# Altium PCB WPTChargerMain.PcbDoc (part 1 of 3) (continued)
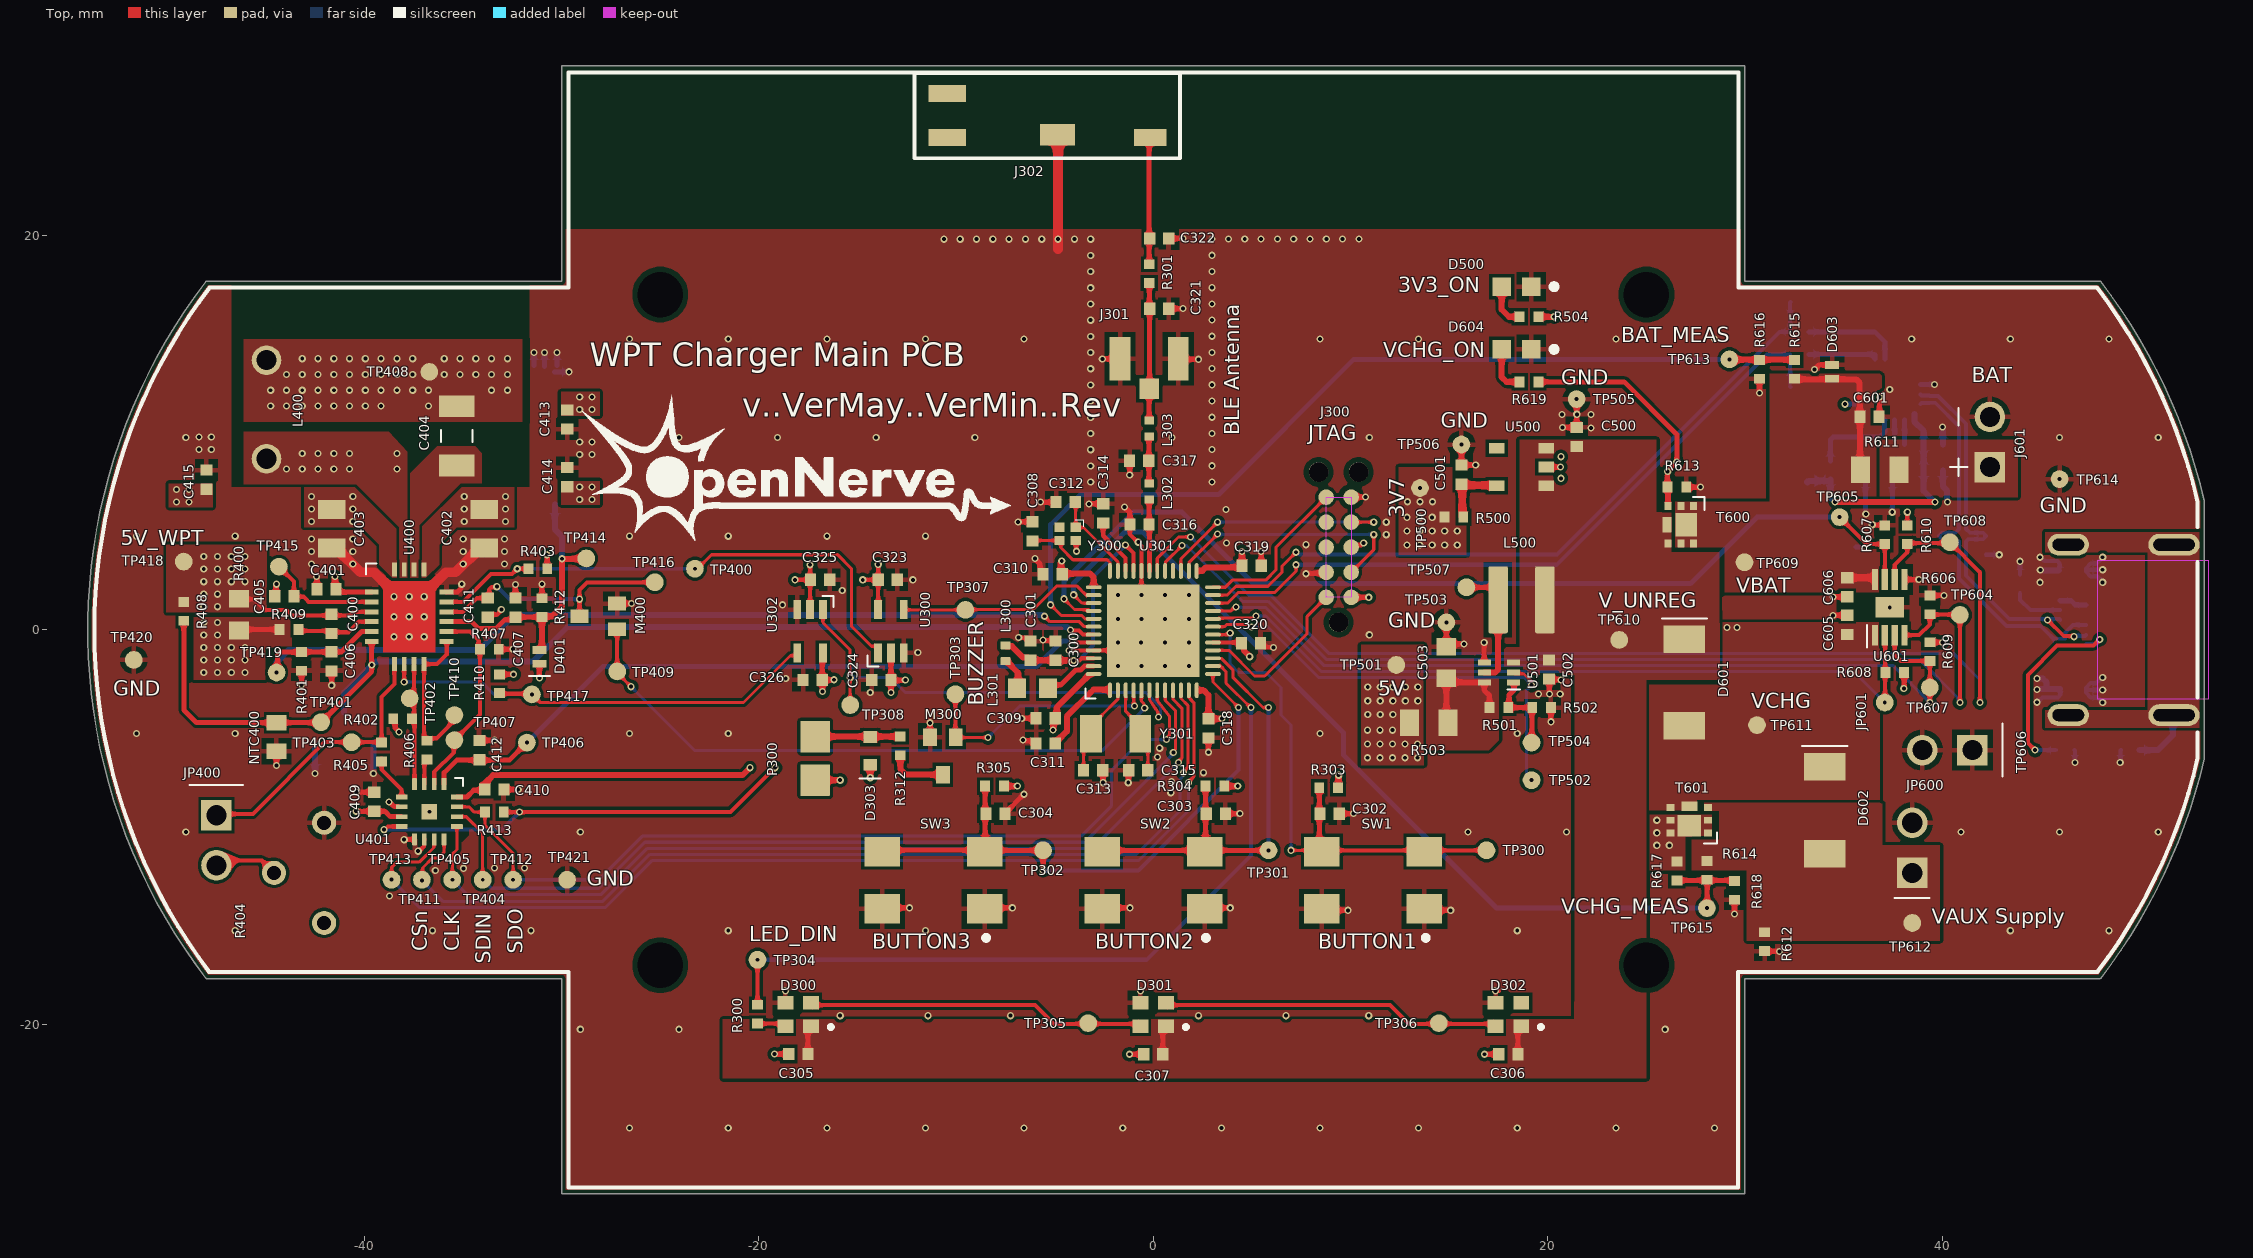
[diagram p0: Top view]
## Design rules (kind name [scope] priority, off if disabled: settings) (continued)
SilkToSilkClearance [All] p1: silktosilkclearance=0.127
SilkToSolderMaskClearance [IsPad] p1: minsilkscreentomaskgap=0.127 clearancetoexposedcopper=TRUE
SolderMaskExpansion [All] p1: expansion=0.051 istentingtop=FALSE
SupplyNets "Schematic Supply Nets_1" [InNet('5V_DC/DC_OUT')] p1: voltage=5.000
SupplyNets "Schematic Supply Nets" [InNet('3V3_LDO_OUT')] p2: voltage=3.300
SupplyNets "Schematic Supply Nets_2" [InNet('GND')] p3: voltage=0.000
SupplyNets "Schematic Supply Nets_10" [InNet('+5V0_VCC')] p4: voltage=5.000
SupplyNets "Schematic Supply Nets_9" [InNet('+VAUX')] p5: voltage=5.000
SupplyNets "Schematic Supply Nets_8" [InNet('+VBUS')] p6: voltage=5.000
SupplyNets "Schematic Supply Nets_7" [InNet('+5V0_WPT_VIN')] p7: voltage=5.000
SupplyNets "Schematic Supply Nets_6" [InNet('+5V0_VCHG')] p8: voltage=5.000
SupplyNets "Schematic Supply Nets_4" [InNet('+3V3_VDD')] p9: voltage=3.300
UnRoutedNet [All] p1: checkbadconnections=TRUE
Width ANT_BLE [InNetClass('50_OHM')] p1: maxlimit=0.254 minlimit=0.221 preferedwidth=0.254 toplayer_minwidth=0.247 toplayer_maxwidth=0.247 toplayer_prefwidth=0.247 bottomlayer_minwidth=0.247 bottomlayer_maxwidth=0.247 bottomlayer_prefwidth=0.247 impedanceprofiledriven=TRUE impedanceprofileid={69941010-B19D-4500-A432-55BB634A7BCE} impedanceprofilevalue=50.000000 minimp=50.000000 maximp=50.000000 favimp=50.000000
Width Power_20mil [All] p2 off: maxlimit=25.4 minlimit=0.254 preferedwidth=0.508 toplayer_minwidth=0.508 midlayer1_minwidth=0.508 midlayer4_maxwidth=0.254 midlayer4_prefwidth=0.254 bottomlayer_minwidth=0.508 minimp=50.000000 maximp=50.000000 favimp=50.000000
Width Power_12mil [InNetClass('POWER')] p3: maxlimit=25.4 minlimit=0.205 preferedwidth=0.305 toplayer_prefwidth=0.305 midlayer1_minwidth=0.305 midlayer4_minwidth=0.254 midlayer4_maxwidth=0.254 midlayer4_prefwidth=0.254 minimp=50.000000 maximp=50.000000 favimp=50.000000
Width Width_10mil [All] p4 off: maxlimit=25.4 minlimit=0.254 preferedwidth=0.254 midlayer4_maxwidth=0.254 minimp=50.000000 maximp=50.000000 favimp=50.000000
Width Width_6mil [All] p5: maxlimit=25.4 minlimit=0.152 preferedwidth=0.254 toplayer_prefwidth=0.205 midlayer1_prefwidth=0.205 midlayer4_minwidth=0.254 midlayer4_maxwidth=0.254 bottomlayer_prefwidth=0.205 minimp=50.000000 maximp=50.000000 favimp=50.000000
Width Width_4mil [All] p6 off: maxlimit=1816.048 minlimit=0.102 preferedwidth=0.102 toplayer_maxwidth=25.4 midlayer1_maxwidth=25.4 bottomlayer_maxwidth=25.4 minimp=50.000000 maximp=50.000000 favimp=50.000000
19 further rules are at their usual default settings.

## Classes and differential pairs
net class 50_OHM: ANT+ ANT_MCU ANT_PCB+ NetC317_2
net class POWER: 3V3_LDO_OUT 5V_DC/DC_OUT 5V_SW +3V3_VDD +3V7_BAT +5V0_VCC +5V0_VCHG +5V0_WPT_VIN +BAT +V_UNREG +VAUX +VBUS GND NetJ600_1
net class DIGITAL: C\H\G\_\C\H\G\ C\H\G\_\E\N\ C\H\G\_\F\A\S\T\ C\H\G\_\P\P\R\ DAC_L\D\A\C\ SPI.C\S\ SPI.SCLK SPI.SDIN SPI.SDO UART_MCU.RX UART_MCU.TX USB_N USB_P VCC_EN WPT_CTD_CTRL WPT_E\N\ WPT_STAT
net class ANALOG: BAT_MEAS CHG_ISET DAC_REF VCHG_MEAS WPT_IMON WPT_NTC
component class "WPT IC": C400 C401 C402 C403 C404 C405 C406 C407 C408 C409 C410 C411 C412 C413 C414 C415 D400 D401 J400 J401 JP400 L400 M400 NTC400 R400 R401 R402 R403 R404 R405 R406 R407 R408 R409 R410 R411 R412 R413 TP400 TP401 TP402 TP403 TP404 TP405 TP406 TP407 TP408 TP409 TP410 TP411 TP412 TP413 TP414 TP415 TP416 TP417 TP418 TP419 TP420 TP421 U400 U401
component class PMC: C500 C501 C502 C503 D500 L500 R500 R501 R502 R503 R504 TP500 TP501 TP502 TP503 TP504 TP505 TP506 TP507 U500 U501
component class MCU: C300 C301 C302 C303 C304 C305 C306 C307 C308 C309 C310 C311 C312 C313 C314 C315 C316 C317 C318 C319 C320 C321 C322 C323 C324 C325 C326 D300 D301 D302 D303 J300 J301 J302 L300 L301 L302 L303 M300 P300 R300 R301 R303 R304 R305 R312 SW1 SW2 SW3 TP300 TP301 TP302 TP303 TP304 TP305 TP306 TP307 TP308 U300 U301 U302 Y300 Y301
component class "Battery Management": C600 C601 C602 C603 C604 C605 C606 D600 D601 D602 D603 D604 J600 J601 JP600 JP601 R600 R601 R602 R603 R604 R605 R606 R607 R608 R609 R610 R611 R612 R613 R614 R615 R616 R617 R618 R619 T600 T601 TP600 TP601 TP602 TP603 TP604 TP605 TP606 TP607 TP608 TP609 TP610 TP611 TP612 TP613 TP614 TP615 U600 U601
component class 01-Cover: X100 X101 X102 X103
differential pair USB: +USB_P -USB_N

## Components (designator, comment, footprint, x,y, rotation, side; value= is the part's Value field where it differs from the comment)
C300 "GRM155R61H105KE05D" C0402 -4.953,-1.055 r270 top value=1uF
C301 "GRM155R61C473KA01D" C0402 -6.223,-1.055 r270 top value=47nF
C302 "GRM155R61A334KE15D" C0402 8.94,-9.318 r180 top value=330nF
C303 "GRM155R61A334KE15D" C0402 3.175,-9.318 r180 top value=330nF
C304 "GRM155R61A334KE15D" C0402 -8.001,-9.318 r180 top value=330nF
C305 "GCM155R71C104KA55" C0402 -17.992,-21.5 r0 top value=0.1uF
C306 "GCM155R71C104KA55" C0402 18,-21.51 r0 top value=0.1uF
C307 "GCM155R71C104KA55" C0402 0,-21.51 r0 top value=0.1uF
C308 "GJM1555C1H120FB01D" C0402 -6.125,4.995 r90 top value=12pF
C309 "GRM155R61H105KE05D" C0402 -5.461,-4.484 r0 top value=1uF
C310 "GRM155R61H104KE14D" C0402 -5.104,2.819 r0 top value=0.1uF
C311 "GRM155R61H104KE14D" C0402 -5.461,-5.754 r0 top value=0.1uF
C312 "GJM1555C1H120FB01D" C0402 -4.445,6.477 r180 top value=12pF
C313 "GJM1555C1H120FB01D" C0402 -3.048,-7.112 r180 top value=12pF
C314 "GRM1555C1H101JA01D" C0402 -2.54,5.907 r90 top value=100pF
C315 "GJM1555C1H120FB01D" C0402 -0.762,-7.112 r0 top value=12pF
C316 "GCM1555C1H1R0JA16D" C0402 -0.702,5.338 r0 top value=1pF
C317 "GJM1555C1H1R2WB01J" C0402 -0.717,8.578 r0 top value=1.2pF
C318 "GRM155R61H104KE14D" C0402 2.794,-4.992 r90 top value=0.1uF
C319 "GRM155R61H104KE14D" C0402 4.984,3.25 r180 top value=0.1uF
C320 "GRM155R61H104KE14D" C0402 4.953,-0.674 r180 top value=0.1uF
C321 "Capacitor, DNP, 0402" C0402 0.299,16.286 r180 top value=DNP
C322 "Capacitor, DNP, 0402" C0402 0.299,19.842 r180 top value=DNP
C323 "GRM155R61H104KE14D" C0402 -13.462,2.54 r180 top value=0.1uF
C324 "GRM155R61H104KE14D" C0402 -13.785,-2.54 r0 top value=0.1uF
C325 "GRM155R61H104KE14D" C0402 -16.891,2.54 r180 top value=0.1uF
C326 "GRM155R61H104KE14D" C0402 -17.272,-2.54 r0 top value=0.1uF
C400 "GCM155R71H103KA55J" C0402 -41.659,0.306 r90 top value=0.01uF
C401 "GRM155R6YA105KE11D" C0402 -41.918,2.064 r0 top value=1uF
C402 "GRM21BR61A476ME15L" C0805 -33.912,5.132 r90 top value=47uF
C403 "GRM21BR61A476ME15L" C0805 -41.659,5.132 r90 top value=47uF
C404 "C3216C0G2A104J160AC" C1206 -35.309,9.831 r270 top value=0.1uF
C405 "GCM155R71E472KA37D" C0402 -44.053,1.703 r0 top value=4.7nF
C406 "GCM155R71C104KA55" C0402 -41.659,-1.599 r90 top value=0.1uF
C407 "GCM155R71C104KA55" C0402 -32.342,1.126 r270 top value=0.1uF
C408 "C3216C0G2A104J160AC" C1206 -30.853,11.651 r270 bottom value=0.1uF
C409 "GCM155R71C104KA55" C0402 -39.5,-8.711 r270 top value=0.1uF
C410 "GCM155R71C104KA55" C0402 -33.409,-8.096 r180 top value=0.1uF
C411 "GCM1555C1H360FA16D" C0402 -33.739,1.127 r90 top value=36pF
C412 "GRM155R61A334KE15D" C0402 -34.163,-6.096 r270 top value=330nF
C413 "GCM155R71H103KA55J" C0402 -29.718,10.668 r90 top value=0.01uF
C414 "GCM155R71H103KA55J" C0402 -29.718,7.747 r270 top value=0.01uF
C415 "GCM155R71H103KA55J" C0402 -48.006,7.62 r270 top value=0.01uF
C500 "GCM155R71C104KA55" C0402 21.463,9.779 r90 top value=0.1uF
C501 "GCM155R71C104KA55" C0402 15.621,7.874 r90 top value=0.1uF
C502 "ZRB15XR61A106ME01D" C0402 20.066,-2.009 r90 top value=10uF
C503 "GRM188R61A226ME15D" C0603 14.859,-1.651 r270 top value=22uF
C600 "C1005X5R1A475K050BC" C0402 36.068,8.001 r270 bottom value=4.7uF
C601 "C1005X5R1A475K050BC" C0402 36.313,10.802 r180 top value=4.7uF
C602 "GCM155R71C104KA55" C0402 37.465,8.001 r90 bottom value=0.1uF
C603 "C1005X5R1A475K050BC" C0402 39.543,8.085 r0 bottom value=4.7uF
C604 "GCM155R71C104KA55" C0402 39.543,9.398 r180 bottom value=0.1uF
C605 "GRM155R6YA105KE11D" C0402 35.179,0.254 r270 top value=1uF
C606 "GRM155R61C225KE44D" C0402 35.179,2.159 r90 top value=2.2uF
D300 "IN-PI20TAT5R5G5B" INPI20TAT5R5G5B -18,-19.5 r0 top
D301 "IN-PI20TAT5R5G5B" INPI20TAT5R5G5B 0,-19.5 r0 top
D302 "IN-PI20TAT5R5G5B" INPI20TAT5R5G5B 18,-19.5 r0 top
D303 "BAS521-7" BAS521_SOD523 -14.351,-6.135 r90 top
D400 "BAS521-7" BAS521_SOD523 -33.02,10.795 r90 bottom
D401 "BAT54LP-7" BAT54LP-7 -31.123,-1.365 r90 top
D500 "LTST-C191KFKT" LEDC0603 18.415,17.399 r180 top value="ORANGE LED"
D600 "IP4220CZ6F" FP-SOT457-MFG 41.021,3.81 r180 bottom
D601 "PMEG3050EP,115" SDO_CFP5_SOD128_NEX-M 26.924,-2.667 r270 top
D602 "PMEG3050EP,115" SDO_CFP5_SOD128_NEX-M 34.036,-9.144 r270 top
D603 "PESD5V5C1BLYL" PESD5V5C1BLYL 34.417,13.081 r270 top
D604 "LTST-C191TGKT" LEDC0603 18.415,14.224 r180 top value="GREEN LED"
J300 "TC2050-IDC-NL" TC2050-IDC-NL 10.033,1.651 r180 top
J301 "U.FL-R-SMT-1(10)" FP-U_FL-R-SMT-1_10-MFG -0.209,13.746 r0 top
J302 "1513430-1" 15134301 -5.366,26.072 r0 top
J400 "U.FL-R-SMT-1(10)" FP-U_FL-R-SMT-1_10-MFG -37.924,9.525 r0 bottom
J401 "U.FL-R-SMT-1(10)" FP-U_FL-R-SMT-1_10-MFG -41.021,-5.715 r0 bottom
J600 "1054500101" FP-1054500101-MFG 49.75,0 r270 bottom locked
J601 "105060" BatteryConnector 42.418,9.525 r90 top value="Custom Connector"
JP400 "TSW-102-26-G-S" SMTC-TSW-102-26-XX-S -47.498,-9.398 r270 top
JP600 "TSW-102-25-G-S-RA" SAMTEC_TSW-102-25-G-S-RA 38.481,-12.319 r90 top
JP601 "TSW-102-26-G-S" SMTC-TSW-102-26-XX-S 41.529,-6.096 r180 top
L300 "LQG15HS15NG02D" L0402_B -7.493,-1.182 r90 top value=15nH
L301 "ASMCI-0603-100M-T" L0603_B -6.119,-2.96 r180 top value=10uH
L302 "LQG15HS4N7B02D" L0402_B -0.209,7.015 r90 top value=4.7nH
L303 "LQG15HS2N2B02D" L0402_B -0.209,10.211 r90 top value=2.2nH
L400 "760308100110" Coil_pads-5mm-ThroughHole -44.958,11.176 r270 top value=24uH
L500 "XGL4015-681MEC" XAL4020-401MEC 18.669,1.524 r180 top value=680nH
M300 "NVS4001NT1G" NVS4001NT1G-SC-70-3 -10.668,-6.389 r270 top
M400 "NVS4001NT1G" NVS4001NT1G-SC-70-3 -28.136,0.687 r180 top
NTC400 "NTCS0603E3502FLT" NTC0603 -44.458,-5.429 r90 top value=5k
P300 "RDTE-4.000-3030-NS1" RDTE-4.000-3030-NS1 -17.145,-6.516 r90 top
R300 "RC0402FR-13470RL" R0402 -20.066,-19.478 r90 top value=470R
R301 "PA0402-R-070RL" R0402 -0.209,18.064 r90 top value=0
R303 "CRCW040210K0FKED" R0402 8.89,-8.001 r0 top value=10K
R304 "CRCW040210K0FKED" R0402 3.125,-7.921 r0 top value=10K
R305 "CRCW040210K0FKED" R0402 -8.051,-7.921 r0 top value=10K
R312 "CRCW040247R0FKED" R0402 -12.827,-5.881 r90 top value=47R
R400 "WSL0603R0150FEA18" R0603 -46.358,0.774 r90 top value=15m
R401 "RN73R1ETTP2983F50" R0402 -43.183,-1.599 r90 top value=298k
R402 "ERJ-2RKF1003X" R0402 -38.058,-4.508 r180 top value=100k
R403 "ERJ-2RKF1003X" R0402 -31.201,3.1 r0 top value=100k
R404 "64WR10KLF" RES3_64W_TTE -42.037,-14.859 r90 top value=10k
R405 "ERJ-2GE0R00X" R0402 -39.124,-6.191 r90 top value=0R
R406 "ERJ-2GE0R00X" R0402 -36.83,-6.096 r90 top value=0R
R407 "ERJ-2RKF1003X" R0402 -33.663,-0.984 r180 top value=100k
R408 "RC0402FR-075KL" R0402 -49.152,0.941 r90 top value=5k
R409 "CRCW040210K0FKED" R0402 -43.818,0.025 r0 top value=10K
R410 "ERJ-2RKF1003X" R0402 -33.155,-2.729 r90 top value=100k
R411 "CRCW0603100KFKEAC" R0603 -30.345,7.169 r90 bottom value=100k
R412 "RC0402FR-075KL" R0402 -30.997,1.126 r270 top value=5k
R413 "CRCW040210K0FKED" R0402 -33.409,-9.239 r180 top value=10K
R500 "ERJ-2GE0R00X" R0402 15.24,5.715 r180 top value=0R
R501 "CRCW0402732KFKED" R0402 17.518,-3.937 r180 top value=732k
R502 "ERJ-2RKF1003X" R0402 19.685,-3.937 r180 top value=100k
R503 "RCS08050000Z0EA" R0805 13.97,-4.699 r180 top value=0R
R504 "CRCW0402499RFKEDHP" R0402 19.05,15.875 r0 top value=499R
R600 "CRCW04025K11FKEDC" R0402 43.942,2.332 r90 bottom value=5.11K
R601 "CRCW04025K11FKEDC" R0402 46.228,-6.096 r0 bottom value=5.11K
R602 "CRCW04021M00FKED" R0402 49.53,-6.097 r180 bottom value=1M
R603 "CRCW04021K00FKED" R0402 34.324,8.088 r270 bottom value=1K
R604 "CRCW04021K00FKED" R0402 32.758,15.113 r0 bottom value=1K
R605 "CRCW04021K00FKED" R0402 32.766,13.97 r0 bottom value=1K
R606 "CRCW04021M00FKED" R0402 39.37,1.27 r270 top value=1M
R607 "CRCW04023K24FKED" R0402 37.084,4.826 r270 top value=3.24k
R608 "ERJ-2RKF1003X" R0402 37.592,-2.159 r0 top value=100k
R609 "ERJ-2RKF1003X" R0402 39.37,-1.099 r90 top value=100k
R610 "ERJ-2RKF1003X" R0402 38.227,4.826 r90 top value=100k
R611 "RCS08050000Z0EA" R0805 36.83,8.128 r180 top value=0R
R612 "CRCW04021K00FKED" R0402 30.988,-15.806 r90 top value=1K
R613 "CRCW04021K00FKED" R0402 26.543,7.239 r180 top value=1K
R614 "CRCW04021M20FKEDC" R0402 28.067,-12.192 r90 top value=1.2M
R615 "CRCW04021M00FKED" R0402 32.514,13.208 r90 top value=1M
R616 "CRCW04023M30FKED" R0402 30.734,13.208 r90 top value=3.3M
R617 "CRCW04022M80FKED" R0402 26.543,-12.225 r90 top value="2.8 M"
R618 "CRCW04021M50FKED" R0402 29.464,-13.208 r90 top value=1.5M
R619 "CRCW0402200RFKEDHP" R0402 19.05,12.573 r0 top value=200R
SW1 "PTS647SN50SMTR2LFS" CK_PTS647 11.146,-12.694 r90 top
SW2 "PTS647SN50SMTR2LFS" CK_PTS647 0,-12.694 r90 top
SW3 "PTS647SN50SMTR2LFS" CK_PTS647 -11.146,-12.694 r90 top
T600 "PMPB11R2VPX" PMPB11R2VPX 26.745,5.334 r0 top
T601 "PMPB11R2VPX" PMPB11R2VPX 27.178,-9.652 r270 top
TP300 "Test Point" testpad_0.9mm 16.891,-11.176 r90 top value="Test point"
TP301 "Test Point" testpad_0.9mm 5.842,-11.176 r90 top value="Test point"
TP302 "Test Point" testpad_0.9mm -5.588,-11.176 r90 top value="Test point"
TP303 "Test Point" testpad_0.9mm -10.033,-3.262 r90 top value="Test point"
TP304 "Test Point" testpad_0.9mm -20.066,-16.724 r90 top value="Test point"
TP305 "Test Point" testpad_0.9mm -3.302,-19.939 r90 top value="Test point"
TP306 "Test Point" testpad_0.9mm 14.478,-19.939 r90 top value="Test point"
TP307 "Test Point" testpad_0.9mm -9.525,1.016 r90 top value="Test point"
TP308 "Test Point" testpad_0.9mm -15.367,-3.81 r90 top value="Test point"
TP400 "Test Point" testpad_0.9mm -23.241,3.1 r90 top value="Test point"
TP401 "Test Point" testpad_0.9mm -42.197,-4.681 r270 top value="Test point"
TP402 "Test Point" testpad_0.9mm -37.702,-3.471 r270 top value="Test point"
TP403 "Test Point" testpad_0.9mm -40.643,-5.694 r270 top value="Test point"
TP404 "Test Point" testpad_0.9mm -33.998,-12.668 r180 top value="Test point"
TP405 "Test Point" testpad_0.9mm -35.539,-12.668 r270 top value="Test point"
TP406 "Test Point" testpad_0.9mm -31.758,-5.714 r270 top value="Test point"
TP407 "Test Point" testpad_0.9mm -35.433,-5.588 r270 top value="Test point"
TP408 "Test Point" testpad_0.9mm -36.703,13.081 r270 top value="Test point"
TP409 "Test Point" testpad_0.9mm -27.181,-2.107 r270 top value="Test point"
TP410 "Test Point" testpad_0.9mm -35.433,-4.318 r270 top value="Test point"
TP411 "Test Point" testpad_0.9mm -37.08,-12.668 r0 top value="Test point"
TP412 "Test Point" testpad_0.9mm -32.457,-12.668 r270 top value="Test point"
TP413 "Test Point" testpad_0.9mm -38.621,-12.668 r0 top value="Test point"
TP414 "Test Point" testpad_0.9mm -28.746,3.622 r0 top value="Test point"
TP415 "Test Point" testpad_0.9mm -44.331,3.207 r0 top value="Test point"
TP416 "Test Point" testpad_0.9mm -25.273,2.413 r0 top value="Test point"
TP417 "Test Point" testpad_0.9mm -31.504,-3.27 r0 top value="Test point"
TP418 "Test Point" testpad_0.9mm -49.157,3.461 r0 top value="Test point"
TP419 "Test Point" testpad_0.9mm -44.45,-2.159 r0 top value="Test point"
TP420 "Test Point" testpad_0.9mm -51.689,-1.524 r90 top value="Test point"
TP421 "Test Point" testpad_0.9mm -29.718,-12.668 r90 top value="Test point"
TP500 "Test Point" testpad_0.9mm 13.523,7.194 r270 top value="Test point"
TP501 "Test Point" testpad_0.9mm 12.319,-1.778 r270 top value="Test point"
TP502 "Test Point" testpad_0.9mm 19.177,-7.62 r270 top value="Test point"
TP503 "Test Point" testpad_0.9mm 14.859,0.381 r90 top value="Test point"
TP504 "Test Point" testpad_0.9mm 19.177,-5.715 r90 top value="Test point"
TP505 "Test Point" testpad_0.9mm 21.463,11.702 r270 top value="Test point"
TP506 "Test Point" testpad_0.9mm 15.621,9.398 r90 top value="Test point"
TP507 "Test Point" testpad_0.9mm 15.875,2.159 r90 top value="Test point"
TP600 "Test Point" testpad_0.9mm 35.814,4.191 r90 bottom value="Test point"
TP601 "Test Point" testpad_0.9mm 33.207,7.553 r90 bottom value="Test point"
TP602 "Test Point" testpad_0.9mm 32.317,16.622 r180 bottom value="Test point"
TP603 "Test Point" testpad_0.9mm 32.291,12.495 r180 bottom value="Test point"
TP604 "Test Point" testpad_0.9mm 40.894,0.762 r0 top value="Test point"
TP605 "Test Point" testpad_0.9mm 34.798,5.715 r0 top value="Test point"
TP606 "Test Point" testpad_0.9mm 37.084,-3.683 r0 top value="Test point"
TP607 "Test Point" testpad_0.9mm 39.37,-2.921 r0 top value="Test point"
TP608 "Test Point" testpad_0.9mm 40.386,4.445 r0 top value="Test point"
TP609 "Test Point" testpad_0.9mm 29.972,3.429 r0 top value="Test point"
TP610 "Test Point" testpad_0.9mm 23.622,-0.508 r270 top value="Test point"
TP611 "Test Point" testpad_0.9mm 30.607,-4.826 r270 top value="Test point"
TP612 "Test Point" testpad_0.9mm 38.481,-14.859 r270 top value="Test point"
TP613 "Test Point" testpad_0.9mm 29.21,13.716 r90 top value="Test point"
TP614 "Test Point" testpad_0.9mm 45.949,7.645 r90 top value="Test point"
TP615 "Test Point" testpad_0.9mm 28.068,-14.103 r90 top value="Test point"
U300 "2N7001TQDCKRQ1" SOT65P210X110-5N -13.3,-0.069 r90 top
U301 "NRF52840-QFAA-F-R7" QFN40P600X600X90-48N 0,-0.039 r90 top locked
U302 "2N7001TQDCKRQ1" SOT65P210X110-5N -17.399,-0.069 r270 top
U400 "LTC4125IUFD#TRPBF" QFN50P400X500X80_HS-21N -37.727,0.667 r0 top
U401 "DAC80504RTET" DAC60504BRTET_16-WQFN -36.706,-9.219 r270 top
U500 "AP7354-33W5-7" SOT25_AP7354_DIO-L 18.669,8.255 r180 top
U501 "TPS61023DRLR" DRL0006A 17.526,-2.159 r180 top
U600 "CP2102N-A02-GQFN20R" FP-CP2102N-A02-GQFN20R-MFG 37.338,12.192 r180 bottom
U601 "MC34673AEPR2" SON50P300X60_HS-9M 37.338,1.143 r90 top
X100 "HOLE_UNPLATED_2.3MM" HOLE_UNPLATED_2.3MM_COUNTERSINK -25,17 r90 bottom locked
X101 "HOLE_UNPLATED_2.3MM" HOLE_UNPLATED_2.3MM_COUNTERSINK 25,17 r90 bottom locked
X102 "HOLE_UNPLATED_2.3MM" HOLE_UNPLATED_2.3MM_COUNTERSINK -25,-17 r90 bottom locked
X103 "HOLE_UNPLATED_2.3MM" HOLE_UNPLATED_2.3MM_COUNTERSINK 25,-17 r90 bottom locked
Y300 "ECS-320-10-48-CKY-TR" XTAL_ECS-SMD-CRYSTAL-10-48-CKY-TR -4.347,4.868 r180 top value="32 MHz"
Y301 "ECS-.327-9-34B-C-TR" XTAL_ECS-.327-9-34B-C-TR -1.912,-5.27 r180 top value=32.768kHz

## Footprints (in the part's own frame and the unit in brackets; to place one, negate y for a bottom-side part, rotate by r counter-clockwise, add the part's x,y. Pads: shape width x height; smd on the part's side, far side on the other; paste and mask are expansions set on the pad)
15134301 [mm]
  rect 1.88x0.86 smd: 1(-5.08,1.12) 2(-5.08,-1.12)
  rect 1.77x1.1 smd: 3(0.51,-0.965)
  rect 1.63x0.86 smd: 4(5.21,-1.12)
  silkscreen extent -6.73,-2.16 6.73,2.16, body extent -6.44,-1.88 6.44,1.88, height 0.79
BAS521_SOD523 [mm]
  rect 0.6x0.7 smd: 1(-0.7,0) 2(0.7,0)
  silkscreen extent -1.39,-0.53 -1.39,0.53, body extent -0.83,-0.42 0.83,0.42, height 0.67
BAT54LP-7 [mm]
  rect 0.4x0.7 smd: 1(-0.35,0) 2(0.35,0)
  silkscreen extent -0.97,-0.53 -0.97,0.54, body extent -0.53,-0.31 0.53,0.31, height 0.54
BatteryConnector [mm]
  rect 1.55x1.55 hole 1.02: 1(-1.27,0)
  round 1.55 hole 1.02: 2(1.27,0)
  silkscreen extent -1.71,1.14 1.71,2.03
C0402 [mm] "C0402_B generated by IPC compliant footprint wizard"
  rect 0.57x0.62 smd mask+0.051: 1(-0.485,0) 2(0.485,0)
  body extent -0.53,-0.28 0.53,0.28, height 0.6
C0603 [mm] "C0603_B generated by IPC compliant footprint wizard"
  rect 0.9x1 smd mask+0.076: 1(-0.8,0) 2(0.8,0)
  body extent -0.9,-0.5 0.9,0.5, height 0.8
C0805 [mm] "C0805_B generated by IPC compliant footprint wizard"
  rect 0.95x1.4 smd: 1(-0.975,0) 2(0.975,0)
  body extent -1.05,-0.67 1.05,0.67, height 1.35
C1206 [mm] "C1206_B generated by IPC compliant footprint wizard"
  rect 1.1x1.8 smd: 1(-1.5,0) 2(1.5,0)
  silkscreen extent -0.3,-0.8 0.3,0.8, body extent -1.7,-0.9 1.7,0.9, height 0.6
CK_PTS647 [mm] "PB, 4-Leads, Body 6.5x4.5mm"
  rect 1.5x1.8 smd: 1(-1.45,-2.6) 2(-1.45,2.6) 3(1.45,-2.6) 4(1.45,2.6)
  silkscreen extent -3.05,-2.79 -2.8,-2.54, body extent -2.25,-3.25 2.25,3.25, height 5
Coil_pads-5mm-ThroughHole [mm]
  round 1.5 hole 1.02: 1(-2.5,0) 2(2.5,0)
DAC60504BRTET_16-WQFN [mm] "QFN, 16-Leads, Body 3.00x3.00mm, Pitch 0.50mm, Thermal Pad 1.10x1.10mm, IPC High Density"
  rrect16% 0.6x0.24 smd mask+0.076: 1(-1.4,0.75) 2(-1.4,0.25) 3(-1.4,-0.25) 4(-1.4,-0.75) 9(1.4,-0.75) 10(1.4,-0.25) 11(1.4,0.25) 12(1.4,0.75)
  rrect16% 0.24x0.6 smd mask+0.076: 5(-0.75,-1.4) 6(-0.25,-1.4) 7(0.25,-1.4) 8(0.75,-1.4) 13(0.75,1.4) 14(0.25,1.4) 15(-0.25,1.4) 16(-0.75,1.4)
  rrect5% 0.8x0.8 smd mask+0.076: 17(0,0)
  silkscreen extent -1.7,1.3 -1.3,1.7, body extent -1.5,-1.5 1.5,1.5, height 0.8
DRL0006A [mm]
  rrect13% 0.67x0.3 smd paste+0 mask+0.025: 1(-0.74,0.5) 2(-0.74,0) 3(-0.74,-0.5) 4(0.74,-0.5) 5(0.74,0) 6(0.74,0.5)
  silkscreen extent -1.07,0.87 -0.44,0.87, body extent -0.8,-0.8 0.8,0.8, height 0.6
FP-1054500101-MFG [mm]
  rrect100% 1.1x2.1 hole 1.6 slot 0.6 at 0 deg paste-2539.97 mask+0: 1(-4.32,3.36) 2(4.32,3.36)
  rrect100% 1.1x2.6 hole 2.1 slot 0.6 at 0 deg paste-2539.97 mask+0: 3(-4.32,-2) 4(4.32,-2)
  rect 0.3x0.7 smd paste+0 mask+0.025: A1(-3,3.77) A2(-2.5,3.77) A3(-2,3.77) A4(-1.5,3.77) A5(-1,3.77) A6(-0.5,3.77) A7(0.5,3.77) A8(1,3.77) A9(1.5,3.77) A10(2,3.77) A11(2.5,3.77) A12(3,3.77) B2(2.25,2.47) B3(1.75,2.47) B4(1.25,2.47) B5(0.75,2.47) B6(0.25,2.47) B7(-0.25,2.47) B8(-0.75,2.47) B9(-1.25,2.47) B10(-1.75,2.47) B11(-2.25,2.47)
  rect 1x0.7 smd paste+0 mask+0.025: B1(3.1,2.47) B12(-3.1,2.47)
  Keep-Out Layer region: -3.5,1.88 3.5,1.88 3.5,-3.77 -3.5,-3.77
  body extent -4.47,-3.91 4.47,4, height 3.2
FP-CP2102N-A02-GQFN20R-MFG [mm]
  rect 0.3x0.3 smd paste+0 mask+0.025: 1(-1.25,1.25) 6(-1.25,-1.25) 11(1.25,-1.25) 16(1.25,1.25)
  rect 0.9x0.3 smd paste+0 mask+0.025: 2(-1.55,0.75) 3(-1.55,0.25) 4(-1.55,-0.25) 5(-1.55,-0.75) 12(1.55,-0.75) 13(1.55,-0.25) 14(1.55,0.25) 15(1.55,0.75)
  rect 0.3x0.9 smd paste+0 mask+0.025: 7(-0.75,-1.55) 8(-0.25,-1.55) 9(0.25,-1.55) 10(0.75,-1.55) 17(0.75,1.55) 18(0.25,1.55) 19(-0.25,1.55) 20(-0.75,1.55)
  rect 1.8x1.8 smd paste-1000 mask+0.025: 21(0,0)
  silkscreen extent -1.75,-1.75 1.75,1.75, body extent -1.5,-1.5 1.5,1.5, height 0.8
FP-SOT457-MFG [mm]
  rect 0.8x0.55 smd paste-1000 mask+0: 1(-1.2,0.95) 2(-1.2,0) 3(-1.2,-0.95) 4(1.2,-0.95) 5(1.2,0) 6(1.2,0.95)
  silkscreen extent -1.56,1.51 -0.84,1.51, body extent -1.33,-1.45 1.43,1.45, height 1.1
FP-U_FL-R-SMT-1_10-MFG [mm]
  rect 1x1.05 smd: 1(0,-1.525)
  rect 1.05x2.2 smd: 2(1.475,0) 3(-1.475,0)
  body extent -1.5,-1.55 1.5,1.55, height 1.45
HOLE_UNPLATED_2.3MM_COUNTERSINK [mm] "4.4mm diamater and 90 degrees angle countersink"
  round 0 hole 2.3 unplated paste-2539.97 mask+0.102: 1(0,0)
INPI20TAT5R5G5B [mm]
  rect 0.8x0.7 smd: 1(0.65,-0.6) 2(0.65,0.6) 3(-0.65,0.6) 4(-0.65,-0.6)
  silkscreen extent 1.55,-0.73 1.75,-0.54, body extent -1,-1 1,1, height 0.85
L0402_B [mm]
  rrect15% 0.4x0.5 smd mask+0.076: 1(-0.4,0) 2(0.4,0)
  body extent -0.5,-0.25 0.5,0.25, height 0.55
L0603_B [mm]
  rect 0.9x0.97 smd: 1(-0.785,0) 2(0.785,0)
  body extent -0.8,-0.4 0.8,0.4, height 0.95
LEDC0603 [mm]
  rect 0.95x0.95 smd: A(0.75,0) K(-0.75,0)
  silkscreen extent -2.03,-0.13 -1.78,0.13, body extent -0.83,-0.4 0.77,0.4, height 0.7
NTC0603 [mm] "Chip Resistor, 2-Leads, Body 1.50x0.80mm, IPC High Density"
  rect 0.8x1 smd: 1(-0.725,0) 2(0.725,0)
  body extent -0.8,-0.42 0.8,0.38, height 0.8
NVS4001NT1G-SC-70-3 [mm]
  rect 0.9x0.7 smd: 1(-0.95,0.65) 2(-0.95,-0.65) 3(0.95,0)
  body extent -1.21,-1.1 1.21,1.1, height 1.02
PESD5V5C1BLYL [mm]
  rect 0.4x0.7 smd mask+0.076: 1(-0.35,0) 2(0.35,0)
  body extent -0.51,-0.31 0.51,0.31, height 0.5
PMPB11R2VPX [mm]
  rect 0.35x0.4 smd mask+0.025: 1(0.65,0.951) 2(0,0.951) 3(-0.65,0.951) 4(-0.65,-0.951) 5(0,-0.951) 6(0.65,-0.951)
  rect 1.1x1.2 smd mask+0.025: 7(0.28,0)
  rect 0.46x0.8 smd mask+0.025: 8(-0.71,0)
  silkscreen extent 0.62,0.75 1.19,1.4, body extent -0.98,-0.99 1.02,1.01, height 0.6
QFN40P600X600X90-48N [mm]
  oval 0.8x0.2 smd mask+0.025: 1(-3.025,2.2) 2(-3.025,1.8) 3(-3.025,1.4) 4(-3.025,1) 5(-3.025,0.6) 6(-3.025,0.2) 7(-3.025,-0.2) 8(-3.025,-0.6) 9(-3.025,-1) 10(-3.025,-1.4) 11(-3.025,-1.8) 12(-3.025,-2.2) 25(3.025,-2.2) 26(3.025,-1.8) 27(3.025,-1.4) 28(3.025,-1) 29(3.025,-0.6) 30(3.025,-0.2) 31(3.025,0.2) 32(3.025,0.6) 33(3.025,1) 34(3.025,1.4) 35(3.025,1.8) 36(3.025,2.2)
  oval 0.2x0.8 smd mask+0.025: 13(-2.2,-3.025) 14(-1.8,-3.025) 15(-1.4,-3.025) 16(-1,-3.025) 17(-0.6,-3.025) 18(-0.2,-3.025) 19(0.2,-3.025) 20(0.6,-3.025) 21(1,-3.025) 22(1.4,-3.025) 23(1.8,-3.025) 24(2.2,-3.025) 37(2.2,3.025) 38(1.8,3.025) 39(1.4,3.025) 40(1,3.025) 41(0.6,3.025) 42(0.2,3.025) 43(-0.2,3.025) 44(-0.6,3.025) 45(-1,3.025) 46(-1.4,3.025) 47(-1.8,3.025) 48(-2.2,3.025)
  rect 4.7x4.7 smd mask+0.025: 49(0,0)
  silkscreen extent -3.43,2.92 -2.92,3.43, body extent -3,-3.05 3.04,2.99, height 0.86
QFN50P400X500X80_HS-21N [mm] "QFN, 20-Leads, Body 4.00x5.00mm, Pitch 0.50mm, Thermal Pad 2.65x3.60mm, IPC Medium Density"
  rect 0.7x0.25 smd mask+0.051: 1(-1.9,1.25) 2(-1.9,0.75) 3(-1.9,0.25) 4(-1.9,-0.25) 5(-1.9,-0.75) 6(-1.9,-1.25) 11(1.9,-1.25) 12(1.9,-0.75) 13(1.9,-0.25) 14(1.9,0.25) 15(1.9,0.75) 16(1.9,1.25)
  rect 0.25x0.7 smd mask+0.051: 7(-0.75,-2.4) 8(-0.25,-2.4) 9(0.25,-2.4) 10(0.75,-2.4) 17(0.75,2.4) 18(0.25,2.4) 19(-0.25,2.4) 20(-0.75,2.4)
  round 0.025 smd mask+0.051: 21(0,0)
  Top region: -1.325,-1.8 -1.325,1.481 -1.006,1.8 1.325,1.8 1.325,-1.8
  silkscreen extent -2.2,2.15 -1.65,2.7, body extent -2.06,-2.56 2.06,2.56, height 0.8
R0402 [mm] "R0402_B generated by IPC compliant footprint wizard"
  rect 0.5x0.55 smd mask+0.051: 1(-0.475,0) 2(0.475,0)
  body extent -0.53,-0.28 0.53,0.28, height 0.4
R0603 [mm] "R0603_B generated by IPC compliant footprint wizard"
  rect 0.9x1 smd: 1(-0.8,0) 2(0.8,0)
  body extent -0.9,-0.5 0.9,0.5, height 0.5
R0805 [mm] "R0805_B generated by IPC compliant footprint wizard"
  rect 0.95x1.35 smd: 1(-0.975,0) 2(0.975,0)
  body extent -1.1,-0.67 1.1,0.67, height 0.6
RDTE-4.000-3030-NS1 [mm]
  rrect4% 1.6x1.5 smd mask+0.076: 1(-1.1,0) 2(1.1,0)
  body extent -1.65,-1.6 1.65,1.6, height 2
RES3_64W_TTE [mil]
  round 48 / inner round 60 / far side round 48 hole 28 paste-99999 mask+0: 1(0,0) 2(100,100) 3(200,0)
  body extent -26,-30 224,135, height 333
SAMTEC_TSW-102-25-G-S-RA [mm]
  rect 1.55x1.55 hole 1.02: 1(0,0)
  round 1.55 hole 1.02: 2(2.54,0)
  silkscreen extent -1.28,-0.87 -1.27,0.91, body extent -1.27,-12.19 3.81,0.32, height 3.17
SDO_CFP5_SOD128_NEX-M [mm]
  rect 1.4x2.1 smd paste+0: 1(-2.2,0) 2(2.2,0)
  silkscreen extent -3.25,-1.14 -3.25,1.15, body extent -2.5,-1.35 2.5,1.35, height 1.1
SMTC-TSW-102-26-XX-S [mm] ".025 SQ Post Terminal Strip Assembly, 1x2 Pins, Vertical, 2.54mm Pitch, Male"
  rect 1.55x1.55 hole 1.02: 1(0,0)
  round 1.55 hole 1.02: 2(2.54,0)
  silkscreen extent -1.53,-1.36 -1.53,1.35, body extent -1.4,-1.27 3.81,1.27, height 8.38
SON50P300X60_HS-9M [mm] "SON, 8-Leads, Body 2.00x3.00mm, Pitch 0.50mm, Thermal Pad 1.35x0.95mm, IPC Low Density"
  rect 1.05x0.32 smd mask+0.025: 1(-1.41,0.75) 2(-1.41,0.25) 3(-1.41,-0.25) 4(-1.41,-0.75) 5(1.41,-0.75) 6(1.41,-0.25) 7(1.41,0.25) 8(1.41,0.75)
  rect 1.05x1.45 smd mask+0.025: 9(0,0)
  silkscreen extent -2.03,1.14 -0.89,1.14, body extent -1.56,-1 1.56,1, height 0.6
SOT25_AP7354_DIO-L [mm]
  rect 0.8x0.55 smd paste+0 mask+0.076: 1(-1.251,0.95) 2(-1.251,0) 3(-1.251,-0.95) 4(1.251,-0.95) 5(1.251,0.95)
  body extent -1.5,-1.55 1.5,1.55, height 1.4
SOT65P210X110-5N [mm]
  rect 0.95x0.4 smd mask+0.051: 1(-1.1,0.65) 2(-1.1,0) 3(-1.1,-0.65) 4(1.1,-0.65) 5(1.1,0.65)
  silkscreen extent -1.78,0.63 -1.22,1.18, body extent -1.05,-1 1.05,1, height 1
TC2050-IDC-NL [mm]
  round 0.787 smd paste-1: 1(0,0) 2(0,-1.27) 3(0,-2.54) 4(0,-3.81) 5(0,-5.08) 6(1.27,-5.08) 7(1.27,-3.81) 8(1.27,-2.54) 9(1.27,-1.27) 10(1.27,0)
  round 0.991 hole 0.991 unplated: ""(-0.38,-6.35) ""(0.635,1.27) ""(1.65,-6.35)
  Top keep-out region: 1.27,-5.08 0,-5.08 0,0 1.27,0
testpad_0.9mm [mm]
  round 0.9 smd paste-1: 1(0,0)
XAL4020-401MEC [mm]
  rrect16% 0.98x3.4 smd mask+0.076: 1(-1.185,0) 2(1.185,0)
  body extent -2.15,-2.13 2.15,2.17, height 2
XTAL_ECS-.327-9-34B-C-TR [mm]
  rect 1.1x1.9 smd: 1(-1.25,0) 2(1.25,0)
  body extent -1.6,-0.75 1.6,0.75, height 0.9
XTAL_ECS-SMD-CRYSTAL-10-48-CKY-TR [mm]
  rect 0.52x0.47 smd mask+0.048: 1(-0.41,-0.335) 2(0.41,-0.335) 3(0.41,0.335) 4(-0.41,0.335)
  silkscreen extent -0.82,-0.72 -0.4,-0.35, body extent -0.6,-0.5 0.6,0.5, height 0.33

## Part data
C300 C309: "1 µF ±10% 50V Ceramic Capacitor X5R 0402 (1005 Metric)", Manufacturer="Murata Electronics", Supplier Part Number 1=490-GRM155R61H105KE05DCT-ND, Temperature Coefficient=X5R, Tolerance=±10%, Voltage Rating=50V, Category=Capacitor, Height=0.60mm, Length=1.00mm, Manufacturer Part Number=GRM155R61H105KE05D, Size Code=0402, Supplier 1=Digikey, Width=0.50mm
C301: "0.047 µF ±10% 16V Ceramic Capacitor X5R 0402 (1005 Metric)", Manufacturer="Murata Electronics", Supplier Part Number 1=490-6313-1-ND, Temperature Coefficient=X5R, Tolerance=±10%, Voltage Rating=16V, Category=Capacitor, Height=0.55mm, Length=1.00mm, Manufacturer Part Number=GRM155R61C473KA01D, Size Code=0402, Supplier 1=Digikey, Width=0.50mm
C302 C303 C304 C412: "Ceramic Capacitor, Multilayer, Ceramic, 10V, 10% +Tol, 10% -Tol, X5R, 15% TC, 0.33uF, Surface Mount, 0402", Capacitor Type=Ceramic, Case/Package=0402, Manufacturer=Murata, Max Operating Temperature=85°C, Min Operating Temperature=-55°C, Package Shape=Rectangular, Package Style=SMTMeter, Rated DC Voltage (URdc)=10V, Supplier Part Number 1=81-GRM155R61A334KE5D, Temperature Characteristics Code=X5R, Tolerance  (fill in as +-)=10%, Category="Ceramic Capacitors", ComponentLink1Description=https://datasheet.ciiva.com:443/pdfs/VipMasterIC/IC/MURE/MURE-S-A0004362469/MURE-S-A0004364266-1.pdf?src-supplier=IHS+Markit, ComponentLink1URL=https://datasheet.ciiva.com:443/pdfs/VipMasterIC/IC/MURE/MURE-S-A0004362469/MURE-S-A0004364266-1.pdf?src-supplier=IHS+Markit, ComponentLink2Description=https://datasheet.ciiva.com/133/product-133232.pdf?src-supplier=Digi-Key, ComponentLink2URL=https://datasheet.ciiva.com/133/product-133232.pdf?src-supplier=Digi-Key, ComponentLink3Description=https://datasheet.ciiva.com/18184/getdatasheetpartid-223890-18184604.pdf?src-supplier=Verical, ComponentLink3URL=https://datasheet.ciiva.com/18184/getdatasheetpartid-223890-18184604.pdf?src-supplier=Verical, ComponentLink4Description=https://datasheet.ciiva.com/29200/453519-da-01-en-vs-kondensator-0402-29200242.pdf?src-supplier=Conrad, ComponentLink4URL=https://datasheet.ciiva.com/29200/453519-da-01-en-vs-kondensator-0402-29200242.pdf?src-supplier=Conrad, ComponentLink5Description=https://datasheet.ciiva.com/133/grm155r61a334ke15-01-133233.pdf?src-supplier=Digi-Key, ComponentLink5URL=https://datasheet.ciiva.com/133/grm155r61a334ke15-01-133233.pdf?src-supplier=Digi-Key, ComponentLink6Description=https://datasheet.ciiva.com/5421/product-5421467.pdf?src-supplier=Mouser, ComponentLink6URL=https://datasheet.ciiva.com/5421/product-5421467.pdf?src-supplier=Mouser, ComponentLink7Description=https://datasheet.ciiva.com/11463/product-11463963.pdf?src-supplier=Avnet, ComponentLink7URL=https://datasheet.ciiva.com/11463/product-11463963.pdf?src-supplier=Avnet, Dielectric Material=Ceramic, Height=0.5mm, JESD-609 Code=e3, Length=1mm, Manufacturer Part Number=GRM155R61A334KE15D, Mounting Technology="Surface Mount", Multilayer=Yes, Packaging="Tape and Reel", Pins=2, Pricing="1=0,1103, 10=0,0933, 25=0,0752, 100=0,0508, 250=0,0502, 500=0,0438, 1000=0,0295, 3000=0,028, 6000=0,025, 15000=0,0191, 30000=0,0185 (USD)", Reach SVHC Compliant=Yes, RoHS=Yes, RoHS Compliant=Yes, Stock=42823, Supplier="Arrow Electronics", Supplier 1=Mouser, Supplier 2=Digikey, Supplier 3=Digikey, Supplier 4=Digikey, Supplier Part Number=GRM155R61A334KE15D, Supplier Part Number 2=490-3263-1-ND, Supplier Part Number 3=490-3263-6-ND, Supplier Part Number 4=490-3263-2-ND, Terminal Finish=Nickel, Termination=Wraparound, Tolerance (fill in as +-)=10%, Width=0.5mm
C305 C306 C307 C406 C407 C409 C410 C500 C501 C602 C604: "Capacitor, 0.1uF, X7R, 16V, 10%, 0402, Implant-grade", Manufacturer=Murata, Medical Grade MFR PN=GCH155R71C104KE01, Package Description=0402, Rating=16V, Supplier Part Number 1=490-4759-1-ND, Category=Capacitor, Length (mm)="1.00 ±0.05", Manufacturer Part Number=GCM155R71C104KA55, Medical Grade MFR=Murata, PCB Footprint=cap0402_reduced, Supplier 1=Digikey, Thickness (mm)="0.50 ±0.05", Width (mm)="0.50 ±0.05"
C308 C312 C313 C315: "12 pF ±1% 50V Ceramic Capacitor C0G, NP0 0402 (1005 Metric)", Manufacturer="Murata Electronics", Supplier Part Number 1=490-11190-1-ND, Temperature Coefficient="C0G, NP0", Tolerance=±1%, Voltage Rating=50V, Category=Capacitor, Height=0.55mm, Length=1.00mm, Manufacturer Part Number=GJM1555C1H120FB01D, Size Code=0402, Supplier 1=Digikey, Width=0.50mm
C310 C311 C318 C319 C320 C323 C324 C325 C326: "0.1 µF ±10% 50V Ceramic Capacitor X5R 0402 (1005 Metric)", Manufacturer="Murata Electronics", Supplier Part Number 1=490-10697-1-ND, Temperature Coefficient=X5R, Tolerance=±10%, Voltage Rating=50V, Category=Capacitor, Height=0.55mm, Length=1.00mm, Manufacturer Part Number=GRM155R61H104KE14D, Size Code=0402, Supplier 1=Digikey, Width=0.50mm
C314: "100 pF ±5% 50V Ceramic Capacitor C0G, NP0 0402 (1005 Metric)", Manufacturer="Murata Electronics", Supplier Part Number 1=490-5922-1-ND, Temperature Coefficient="C0G, NP0", Tolerance=±5%, Voltage Rating=50V, Category=Capacitor, Height=0.55mm, Length=1.00mm, Manufacturer Part Number=GRM1555C1H101JA01D, Size Code=0402, Supplier 1=Digikey, Width=0.50mm
C316: "1 pF ±5% 50V Ceramic Capacitor C0G, NP0 0402 (1005 Metric)", Manufacturer="Murata Electronics", Supplier Part Number 1=490-GCM1555C1H1R0JA16DCT-ND, Temperature Coefficient="C0G, NP0", Tolerance=±5%, Voltage Rating=50V, Category=Capacitor, Height=0.55mm, Length=1.00mm, Manufacturer Part Number=GCM1555C1H1R0JA16D, Size Code=0402, Supplier 1=Digikey, Width=0.50mm
C317: "1.2 pF ±0.05pF 50V Ceramic Capacitor C0G, NP0 0402 (1005 Metric)", Manufacturer="Murata Electronics", Supplier Part Number 1=490-GJM1555C1H1R2WB01JCT-ND, Temperature Coefficient="C0G, NP0", Tolerance=±0.05pF, Voltage Rating=50V, Category=Capacitor, Height=0.55mm, Length=1.00mm, Manufacturer Part Number=GJM1555C1H1R2WB01J, Size Code=0402, Supplier 1=Digikey, Width=0.50mm
C321 C322: library part CAP_DNP_0402, "DNP: Capacitor, DNP, 0402", Manufacturer=N/A, Package Description=0402, Rating=25V, Category=Capacitor, Length (mm)="1.00 ±0.10", Manufacturer PN=N/A, Medical Grade MFR=N/A, Medical Grade MFR PN=N/A, PCB Footprint=cap0402_reduced, Review=020823, Status=Approved, Thickness (mm)="0.40 ±0.10", Width (mm)="0.55 ±0.07"
C400 C413 C414 C415: "Capacitor, 0.01uF, X7R, 50V, 10%, 0402, Implant-grade", Manufacturer=Murata, Medical Grade MFR PN=GCH155R71H103KE01, Package Description=0402, Rating=50V, Category=Capacitor, Length (mm)="1.00 ±0.05", Manufacturer Part Number=GCM155R71H103KA55J, Medical Grade MFR=Murata, PCB Footprint=cap0402_reduced, Review=020823, Status=Approved, Supplier 1="Arrow Electronics", Supplier Part Number 1=GCM155R71H103KA55J, Thickness (mm)="0.50 ±0.05", Width (mm)="0.50 ±0.05"
C401 C605: "1 µF ±10% 35V Ceramic Capacitor X5R 0402 (1005 Metric)", Manufacturer=Murata, Package Description=0402, Rating=35V, Supplier Part Number 1=490-10019-1-ND, Category=Capacitor, Length (mm)="1.00 ±0.05", Manufacturer Part Number=GRM155R6YA105KE11D, Supplier 1=Digikey, Thickness (mm)="0.50 ±0.05", Width (mm)="0.50 ±0.05"
C402 C403: "47 µF ±20% 10V Ceramic Capacitor X5R 0805 (2012 Metric)", Manufacturer=Murata, Supplier Part Number 1=490-9961-1-ND, Temperature Coefficient=X5R, Tolerance=20%, Voltage Rating=10V, Category=Capacitor, Length=2mm, Manufacturer Part Number=GRM21BR61A476ME15L, Size Code=0805, Supplier 1=Digikey, Width=1.25mm
C404 C408: "0.1 µF ±5% 100V Ceramic Capacitor C0G, NP0 1206 (3216 Metric)", Manufacturer="TDK Corporation", Supplier Part Number 1=445-172677-1-ND, Tolerance=5%, Voltage Rating=100V, Category=Capacitor, Height=1.8, Length=3.2, Manufacturer Part Number=C3216C0G2A104J160AC, Size Code=1206, Supplier 1=Digikey, Width=1.6
C405: "4700 pF ±10% 25V Ceramic Capacitor X7R 0402 (1005 Metric)", Manufacturer=Murata, Package Description=0402, Rating=25V, Supplier Part Number 1=81-GCM155R71E472KA7D, Category=Capacitor, Length (mm)="1.00 ±0.05", Manufacturer Part Number=GCM155R71E472KA37D, Supplier 1=Mouser, Supplier 2=Digikey, Supplier 3=Digikey, Supplier 4=Digikey, Supplier Part Number 2=490-GCM155R71E472KA37DCT-ND, Supplier Part Number 3=490-GCM155R71E472KA37DDKR-ND, Supplier Part Number 4=490-GCM155R71E472KA37DTR-ND, Thickness (mm)="0.50 ±0.05", Width (mm)="0.50 ±0.05"
C411: "36 pF ±1% 50V Ceramic Capacitor C0G, NP0 0402 (1005 Metric)", Manufacturer=Murata, Package Description=0402, Rating=50V, Supplier Part Number 1=490-GCM1555C1H360FA16DCT-ND, Category=Capacitor, Length (mm)="1.00 ±0.05", Manufacturer Part Number=GCM1555C1H360FA16D, Supplier 1=Digikey, Thickness (mm)="0.50 ±0.05", Width (mm)="0.50 ±0.05"
C502: "Capacitor, 10uf, X5R, 10V, 20%, 0402, Implant-grade", Manufacturer=Murata, Medical Grade MFR=TBD, Package Description=0402, Rating=10V, Supplier Part Number 1=2114729, Category=Capacitor, Length (mm)="1.00 ±0.22", Manufacturer Part Number=ZRB15XR61A106ME01D, Medical Grade MFR PN=TBD, PCB Footprint=cap0402_reduced, Supplier 1="Future Electronics", Thickness (mm)="0.65 ±0.2", Width (mm)="0.50 ±0.2"
C503: "22 µF ±20% 10V Ceramic Capacitor X5R 0603 (1608 Metric)", Manufacturer=Murata, Package Description=0603, Rating=10V, Supplier Part Number 1=490-10476-1-ND, Category=Capacitor, Length (mm)="1.60 ±0.10", Manufacturer Part Number=GRM188R61A226ME15D, PCB Footprint=cap0603_reduced, Supplier 1=Digikey, Thickness (mm)="0.80 ±0.10", Width (mm)="0.80 ±0.10"